# Allegro board pc069a_toplevel_13_glossed.brd (continued)
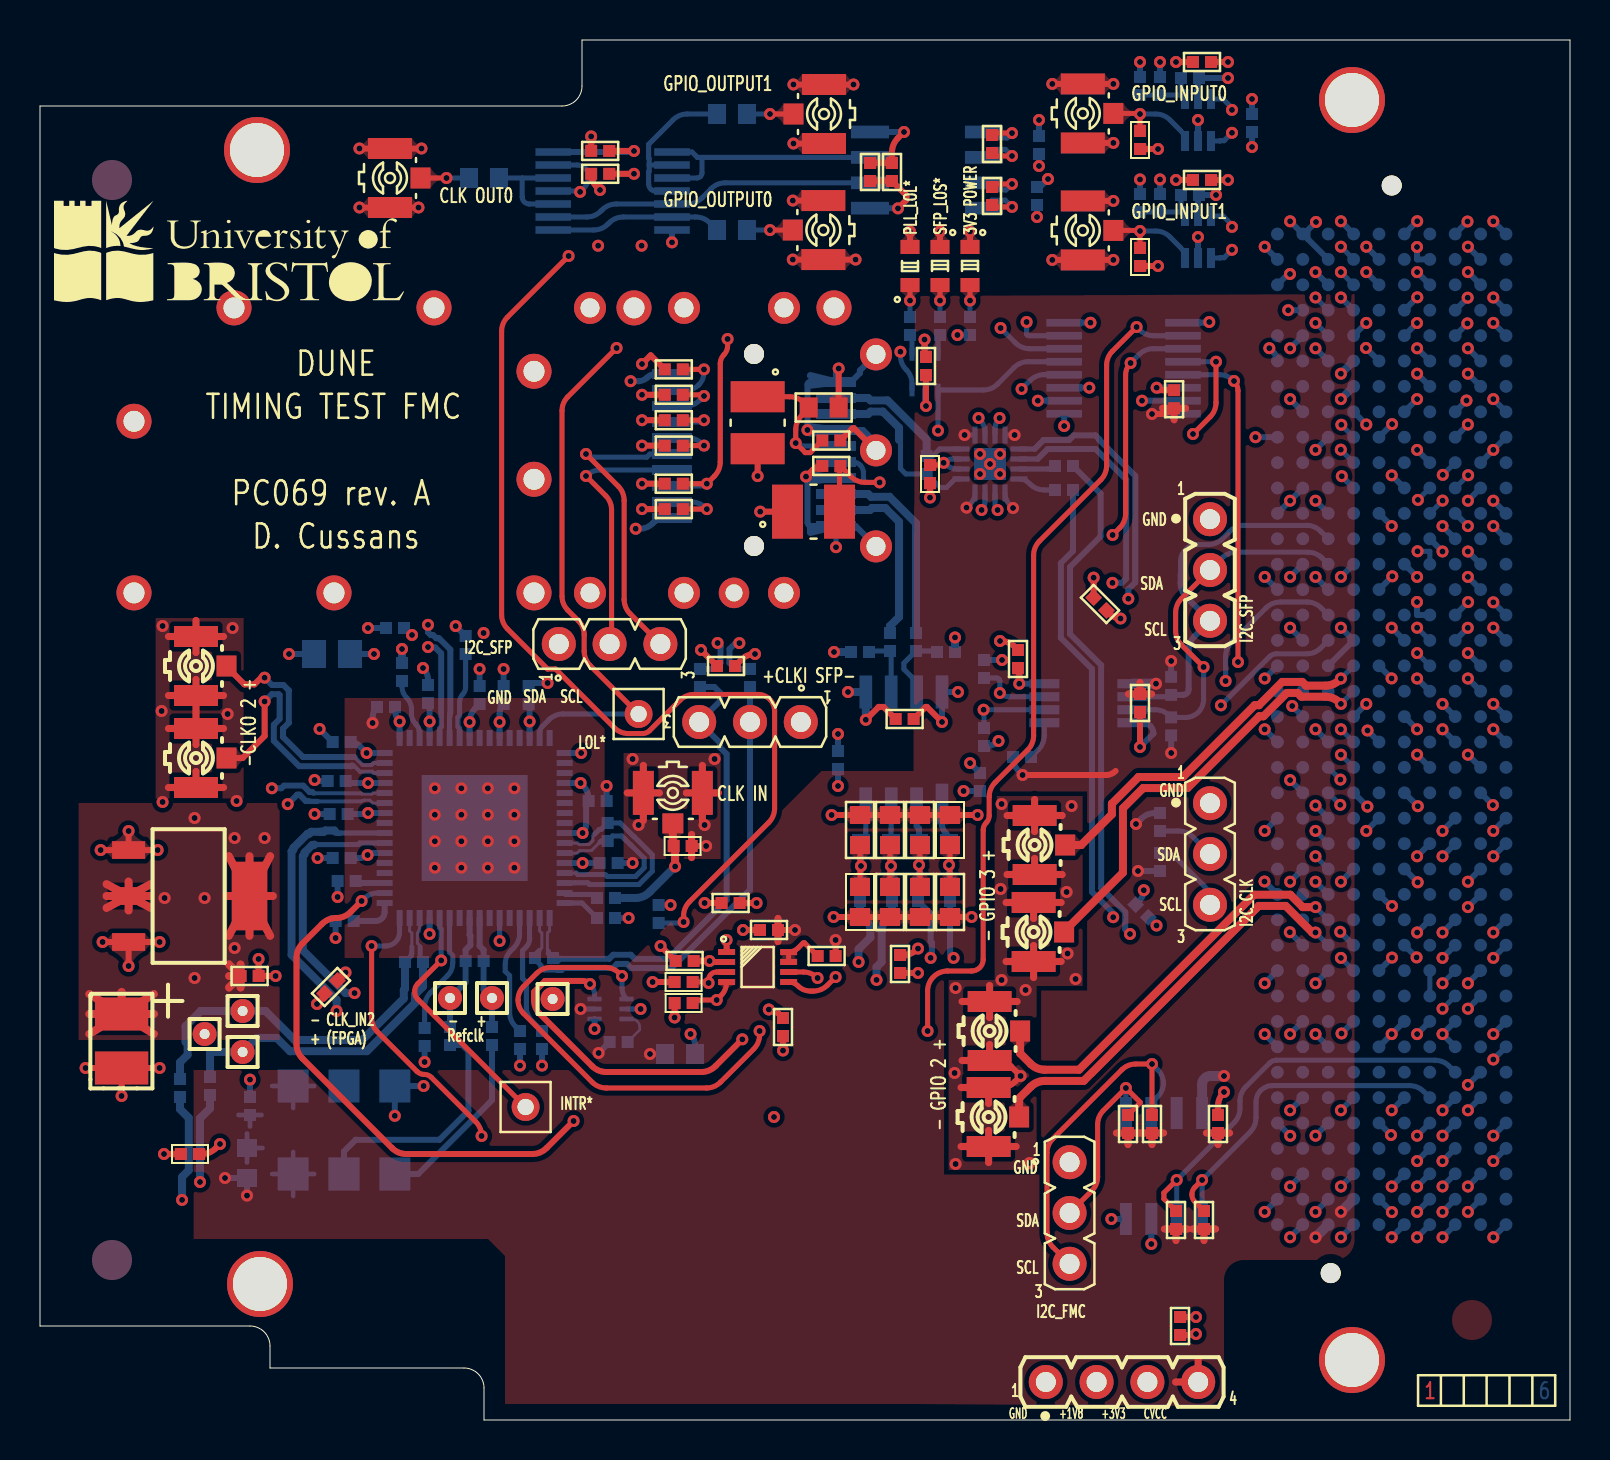
[diagram p0: board, top side]
## Routing (per net, layer and track width the routed paths; a pad name or vN(x,y) marks a point on that pad's centre or on a via; arc(x,y) is an arc through that point) (continued)
P12V: length 4.9
  L4_SIGN w0.3: v1(70.12,12.95) 70.64,13.46 arc(70.86,13.79) 70.93,14.17 70.93,14.26 arc(70.86,14.64) 70.64,14.97 v1(70.12,15.48)
  BOTTOM w0.3: P1.C35 v1(70.12,15.48) ; P1.C37 v1(70.12,12.95)
C2M_SFP_DATA_N: length 29.4
  L4_SIGN w0.3: v1(44.53,23.11) 44.89,22.75 45.22,22.75 45.44,22.53 45.47,22.53 45.48,22.53 46.36,22.53 55.73,31.9 57.96,31.9 58.03,31.97 58.33,31.97 59.77,33.4 64.91,33.4 v1(65.04,33.27)
  BOTTOM w0.254: P1.G22 v1(65.04,33.27)
  BOTTOM w0.3: v1(44.53,23.11) 44.53,23.31 44.6,23.38 44.6,23.86 44.53,23.92 44.53,25.32 C8.1
C2M_SFP_DATA_P: length 27.9
  L4_SIGN w0.3: v1(45.68,23.11) 45.7,23.08 46.13,23.08 55.5,32.45 57.73,32.45 57.8,32.52 58.1,32.52 59.54,33.96 64.47,33.96 v1(65.04,34.53)
  BOTTOM w0.254: P1.G21 v1(65.04,34.53)
  BOTTOM w0.3: v1(45.68,23.11) 45.5,23.28 C1.1
CLK0_C2M_N: length 92.2
  L4_SIGN w0.4: v1(7.1,11) 7.45,11 8.6,9.85 18.25,9.85 18.98,9.12 25.22,9.12 29.7,13.6 38.55,13.6 43.39,18.44 43.39,21.97 43.27,22.09 43.27,22.61 43.39,22.73 43.39,23.19 43.27,23.31 43.27,23.83 43.64,24.2 43.71,24.2 45.29,25.78 45.53,25.78 53.63,33.88 53.63,37.44 56.17,39.98 56.17,46.01 62.02,51.85 63.25,51.85 63.65,51.45 64.64,51.45 v1(65.04,51.05)
  BOTTOM w0.4: v1(7.1,11) 7.1,12.15 7.44,12.49 7.44,15.11 7,15.55 C28.1 ; P1.G7 v1(65.04,51.05)
CLK0_C2M_P: length 90.6
  L4_SIGN w0.4: v1(65.04,52.31) 64.83,52.1 63.92,52.1 63.52,52.51 61.75,52.51 55.52,46.28 55.52,40.25 52.98,37.71 52.98,34.15 45.26,26.43 45.02,26.43 43.44,24.85 43.37,24.85 42.62,24.1 42.62,23.04 42.65,23.01 42.65,22.91 42.62,22.88 42.62,21.82 42.74,21.7 42.74,18.71 38.28,14.25 29.43,14.25 24.95,9.77 19.25,9.77 18.52,10.5 8.87,10.5 8.08,11.29 8.08,11.82 v1(8,11.9)
  BOTTOM w0.4: P1.G6 v1(65.04,52.31) ; C22.1 8.5,15.58 8,15.08 v1(8,11.9)
CLK0_M2C_N: length 75.1
  L4_SIGN w0.3: v1(12.39,30.79) 12.39,31.27 12.94,31.82 12.94,32.34 12.78,32.5 12.78,34.21 14.07,35.5 19.12,35.5 21.74,38.13 22.94,38.13 23.5,38.69 23.5,43.2 23.8,43.5 33.67,43.5 34.48,44.31 34.48,47.74 37.62,50.87 43.65,50.87 44.06,51.28 46.5,51.28 48.82,53.6 49.01,53.6 49.01,53.6 59.63,53.6 62.1,56.07 62.65,56.07 63.18,55.53 63.18,55.45 v1(63.77,54.85)
  BOTTOM w0.15: IC3.27 16.63,30.85 16.48,30.99 16.21,30.99 16.19,30.98 16.12,30.98 16.07,30.93 16.05,30.93
  BOTTOM w0.2: 13.85,30.93 16.05,30.93
  BOTTOM w0.254: P1.H5 v1(63.77,54.85) ; 13.85,30.93 13.85,30.93 13.52,30.93 13.45,30.93 13.44,30.95
  BOTTOM w0.3: v1(12.39,30.79) 12.86,31.27 12.97,31.27 13.29,30.95 13.44,30.95
CLK0_M2C_P: length 75.7
  L4_SIGN w0.3: v1(63.77,56.12) 63.23,56.12 62.84,56.52 61.91,56.52 59.44,54.05 48.63,54.05 46.31,51.73 43.87,51.73 43.47,51.32 37.43,51.32 34.03,47.92 34.03,44.5 33.48,43.95 23.61,43.95 23.05,43.38 23.05,38.88 22.75,38.58 21.55,38.58 18.93,35.96 13.89,35.96 12.33,34.4 12.33,32.31 12.49,32.15 12.49,32.01 12.07,31.59 v1(11.59,31.59)
  BOTTOM w0.15: 16.05,31.34 16.09,31.3 16.59,31.3 16.65,31.35 IC3.28
  BOTTOM w0.2: 13.69,31.34 16.05,31.34
  BOTTOM w0.254: 13.62,31.4 13.69,31.34 ; P1.H4 v1(63.77,56.12)
  BOTTOM w0.3: v1(11.59,31.59) 12.07,31.59 12.2,31.72 13.16,31.72 13.48,31.4 13.62,31.4
CLK1_M2C_N: length 69.1
  L4_SIGN w0.3: v1(65.04,57.4) 64.69,57.75 64.23,57.75 64.01,57.97 62.36,57.97 60.43,56.05 49.97,56.05 48.09,57.93 43.04,57.93 42,56.89 36.03,56.89 36.03,56.9 24.56,56.9 20.6,52.94 20.6,41.22 20.55,41.17 20.51,41.17 20.21,40.87 20.21,39.54 19.4,38.74 v1(19.4,38.65)
  BOTTOM w0.254: IC3.37 19.98,34.58 20.07,34.66 20.07,35.17 20.06,35.18 20.06,35.36 ; P1.G3 v1(65.04,57.4)
  BOTTOM w0.3: v1(19.4,38.65) 19.42,38.63 19.76,38.63 20.06,38.33 20.06,35.36
CLK1_M2C_P: length 70
  L4_SIGN w0.3: v1(19.4,39.76) 19.6,39.76 19.65,39.81 19.65,41.1 20.05,41.49 20.05,53.17 24.33,57.45 36.25,57.45 36.26,57.44 41.77,57.44 42.81,58.48 48.32,58.48 50.2,56.6 60.2,56.6 62.13,58.53 64.24,58.53 64.46,58.31 64.69,58.31 v1(65.04,58.66)
  BOTTOM w0.254: P1.G2 v1(65.04,58.66) ; 20.52,35.36 20.52,35.32 20.49,35.3 20.49,35.18 20.48,35.17 IC3.38
  BOTTOM w0.3: v1(19.4,39.76) 19.4,39.39 19.54,39.25 19.65,39.25 19.81,39.09 19.95,39.09 20.52,38.52 20.52,35.36
CLK_I2C_SEL: length 4.3
  BOTTOM w0.254: IC3.39 20.98,34.58 20.9,34.66 20.9,35.14 20.98,35.22 20.98,35.91 arc(21.02,36.11) 21.13,36.28 arc(21.24,36.44) 21.28,36.64 R13.1
CLK_IN0_N: length 1.9
  BOTTOM w0.254: IC3.64 27.1,25.85 C26.2
CLK_IN0_P: length 1.7
  BOTTOM w0.254: C23.2 27.67,26.28 26.28,26.28 26.23,26.33 IC3.63
CLK_IN1_N: length 25.2
  BOTTOM w0.15: 24.96,23.48 25.09,23.61 25.09,24.35 24.98,24.46 IC3.2
  BOTTOM w0.254: 25.88,22.5 25.22,22.5 25.05,22.67 25.05,22.73 24.75,23.03 R11.1 24.75,23.27 24.96,23.48
  BOTTOM w0.3: C27.2 J3.2 35.5,26.52 31.58,22.6 29.55,22.6 29.35,22.8 28.85,22.8 28.65,22.6 26.18,22.6 26.08,22.5 25.88,22.5
CLK_IN1_P: length 24.9
  BOTTOM w0.15: IC3.1 25.48,24.46 25.37,24.35 25.37,23.5 25.42,23.45 25.42,23.44
  BOTTOM w0.254: 25.42,23.44 25.42,23.33 R11.2 25.65,23.01
  BOTTOM w0.3: C24.2 33.72,36.65 34,36.37 34,35.94 J3.3 34,33.86 34,33.63 34.33,33.3 34.33,26 31.39,23.06 29.74,23.06 29.54,23.26 28.66,23.26 28.46,23.06 25.99,23.06 25.88,22.96 25.7,22.96 25.65,23.01
CLK_IN2_N: length 19.8
  BOTTOM w0.15: IC3.15 18.48,24.46 18.59,24.35 18.59,23.65
  BOTTOM w0.254: 18.59,23.65 18.59,23.33 18.57,23.32 18.57,23.22 R8.2
  BOTTOM w0.4: R8.2 18.25,21.56 18.19,21.5 18.19,21.08 16.11,19 12.73,19 11.28,20.45 TP5.1 8.03,20.45 7.28,19.69 7.28,18.91 7.38,18.8 7.38,18.26 7,17.88 C28.2
CLK_IN2_P: length 17.6
  BOTTOM w0.15: 19,23.65 19,23.71 18.87,23.84 18.87,24.35 18.95,24.43 18.95,24.52 18.98,24.55 IC3.14
  BOTTOM w0.254: R8.1 19,23.05 19,23.65
  BOTTOM w0.4: C22.2 8.5,18.35 8.55,18.4 TP4.1 10.83,19.1 11.83,19.1 12.5,18.44 16.34,18.44 18.75,20.85 18.75,21.27 19.15,21.67 R8.1
CLK_OE*: length 6.1
  BOTTOM w0.254: R10.1 19.23,20.66 arc(19.31,21.04) 19.52,21.37 20.38,22.22 arc(20.57,22.51) 20.64,22.85 20.64,23.22 20.48,23.38 IC3.11
CLK_RSTB: length 88.2
  TOP w0.254: v1(26.43,58.2) 23.37,55.14 arc(23.16,54.82) 23.08,54.44 23.08,40.26 arc(23.16,39.88) 23.37,39.56 25.38,37.55 25.78,37.55 28.71,34.62 arc(29.04,34.4) 29.42,34.32 30.13,34.32 arc(30.32,34.36) 30.48,34.47 32,35.98 arc(32.32,36.2) 32.7,36.28 35.9,36.28 arc(36.49,36.04) 36.73,35.45 36.73,30.58 arc(36.65,30.2) 36.44,29.88 32.47,25.91 arc(32.26,25.59) 32.18,25.2 v1(32.18,24.9)
  L3_SIGN w0.254: v1(22.98,23.95) 29.39,23.95 arc(29.77,24.03) 30.09,24.24 30.46,24.61 arc(30.78,24.82) 31.16,24.9 v1(32.18,24.9) ; v1(49.33,54.9) 45.92,58.31 arc(45.6,58.52) 45.22,58.6 37.61,58.6 arc(37.42,58.56) 37.25,58.45 37.04,58.24 arc(36.72,58.03) 36.34,57.95 27.03,57.95 arc(26.71,58.01) v1(26.43,58.2)
  BOTTOM w0.254: R16.1 32.13,24.85 v1(32.18,24.9) ; 51.21,54.22 49.41,54.22 arc(49.35,54.24) 49.33,54.3 v1(49.33,54.9) ; IC3.6 v1(22.98,23.95)
CLK_SCL: length 36.4
  TOP w0.254: v1(16.58,23.7) 16.58,20.11 arc(16.66,19.73) 16.87,19.41 18.85,17.43 arc(19.02,17.32) 19.21,17.28 arc(19.4,17.24) 19.57,17.13 21.79,14.91 arc(22,14.59) 22.08,14.2 v1(22.08,14.2) ; IC1.3 33.83,22.4 arc(33.55,22.28) 33.43,22 v1(33.43,21.85) 33.38,21.9 R41.2
  L3_SIGN w0.254: v1(22.08,14.2) 32.32,14.2 arc(32.7,14.28) 33.02,14.49 34.13,15.6 arc(34.35,15.93) 34.43,16.31 34.43,21.8 arc(34.41,21.84) 34.38,21.85 v1(33.43,21.85)
  BOTTOM w0.254: v1(16.58,23.7) 17.28,23.7 arc(17.78,23.9) 17.98,24.4 IC3.16
CLK_SDA: length 41.6
  TOP w0.254: R40.2 arc(32.8,20.96) 32.99,21 v1(33.83,21) 34.04,21.21 arc(34.26,21.53) IC1.4
  TOP w0.3: v1(26.68,14.95) 25.32,13.59 arc(25,13.38) 24.62,13.3 18.31,13.3 arc(17.93,13.38) 17.61,13.59 13.12,18.08 arc(12.9,18.41) 12.82,18.79 12.82,23.11 arc(12.9,23.49) 13.12,23.82 14.11,24.81 arc(14.43,25.02) 14.81,25.1 14.82,25.1 arc(15.2,25.18) 15.52,25.39 v1(16.08,25.95)
  L3_SIGN w0.254: v1(33.83,21) 33.83,16.82 arc(33.76,16.44) 33.54,16.11 32.67,15.24 arc(32.35,15.03) 31.97,14.95 v1(26.68,14.95)
  BOTTOM w0.254: IC3.18 16.89,26.35 arc(16.51,26.27) 16.19,26.06 v1(16.08,25.95)
CTRLVCC: length 0.9
  BOTTOM w0.3: P1.D32 v1(68.85,19.3)
CVCC: length 42.6
  TOP w0.3: v1(55.6,50.3) 56,50.3 arc(56.38,50.38) C61.2 ; v1(39.78,24) R1.2 ; v1(49.13,32.25) 53.3,32.25 arc(53.56,32.3) 53.78,32.45 ; C17.2 v1(37.75,24.5)
  TOP w0.354: 36.9,23.92 C17.2 36.9,25.08 ; 57.91,3.03 J11.4 56.78,1.9 ; 56.7,50.01 C61.2 ; C61.2 57.28,50.59 ; C61.2 56.13,50.59 ; R103.2 56.18,14.35 ; R103.2 55.02,14.35 ; R103.2 55.6,13.77 ; 57.62,9.55 R1328.2 ; R1328.2 58.78,9.55 ; R1328.2 58.2,8.97 ; 56.22,9.55 R138.2 ; R138.2 57.38,9.55 ; R138.2 56.8,8.97 ; C16.2 55.58,36.3 ; C16.2 55,36.88 ; C16.2 54.42,36.3 ; 58.32,14.35 C18.2 ; C18.2 59.48,14.35 ; C18.2 58.9,13.77 ; 54.4,13.77 R39.2 ; R39.2 54.98,14.35 ; R39.2 53.82,14.35
  BOTTOM w0.254: v1(46.33,45.62) 46.53,45.83 arc(46.69,46.07) IC4.16 ; IC4.5 v1(46.23,49.25) ; IC4.8 v1(48.73,49.25) ; IC11.5 v1(27.03,20.55) ; v1(48.65,45.6) 48.5,45.76 arc(48.31,46.03) IC4.13
  BOTTOM w0.3: R43.2 v1(54.9,27.45) ; C42.2 v1(30.5,18.3) ; v1(10.35,11.22) L3.1 v1(9.25,12.1) ; IC10.16 55.61,50.31 ; R142.2 v1(56.56,33.35) ; R143.2 v1(56.56,37.95) ; v1(49.13,32.25) 48.94,32.44 arc(48.73,32.76) 48.65,33.14 R42.2 ; R61.2 v1(27.93,18.35) ; v1(54.8,29.8) 55.06,30.06 arc(55.38,30.27) 55.76,30.35 R242.2
  BOTTOM w0.5: IC2.8 58.1,16.78 arc(58.23,17.08) 58.52,17.2 v1(59.2,17.2) ; P1.H40 v1(63.77,9.13) ; 55.61,50.31 v1(55.6,50.3) ; IC15.1 v1(55.8,36.81) ; P1.G39 v1(65.04,10.41)
F_GPIO_OUT0_N: length 28
  TOP w0.254: R45.1 47.65,60.75 47.75,60.65 v1(48.6,60.65)
  L3_SIGN w0.2: v1(65.04,48.52) 64.65,48.92 64.18,48.93 63.77,49.35 62.35,49.35 60.43,51.27 60.43,54.93 55.09,60.27 55.01,60.27 54.22,61.06 54.22,61.18 53.9,61.51 53.32,61.51 52.81,61 48.95,61 v1(48.6,60.65)
  BOTTOM w0.254: v1(65.04,48.52) 65.04,48.51 P1.G10 ; IC8.4 47.6,60.99 48.26,60.99 v1(48.6,60.65)
F_GPIO_OUT0_P: length 27.5
  TOP w0.254: R45.2 47.75,61.8 v1(48.6,61.8)
  L3_SIGN w0.2: v1(48.6,61.8) 48.95,61.45 52.76,61.45 53.17,61.87 54.05,61.87 55.19,60.72 55.28,60.72 60.88,55.12 60.88,51.46 62.54,49.8 63.96,49.8 63.99,49.76 v1(65.07,49.76)
  BOTTOM w0.254: v1(65.07,49.76) 65.07,49.75 P1.G9 ; v1(48.6,61.8) 48.3,61.5 47.56,61.5 IC8.3
F_GPIO_OUT1_N: length 69
  TOP w0.254: R46.1 47.7,64.35 v1(48.6,64.35)
  L4_SIGN w0.2: v1(48.6,64.35) 48.95,64 50.5,64 51.37,63.13 55.57,63.13 55.68,63.02 66.28,63.02 66.61,63.35 71.85,63.35 74.62,60.58 74.62,33.82 72.02,31.22 65.47,31.22 v1(65.01,30.76)
  BOTTOM w0.254: v1(48.6,64.35) 48.35,64.1 47.5,64.1 IC8.1 ; P1.H23 v1(65.01,30.76)
F_GPIO_OUT1_P: length 67.6
  TOP w0.254: v1(48.6,63.2) 47.75,63.2 R46.2
  L4_SIGN w0.2: v1(48.6,63.2) 48.95,63.55 50.31,63.55 51.18,62.68 55.38,62.68 55.49,62.57 66.47,62.57 66.8,62.9 71.66,62.9 74.16,60.39 74.16,34.01 71.83,31.67 65.37,31.67 v1(65.02,32.02)
  BOTTOM w0.254: v1(48.6,63.2) 48.27,63.53 47.6,63.53 IC8.2 ; P1.H22 v1(65.02,32.02)
F_SFP_N: length 8.1
  BOTTOM w0.254: R60.1 44.63,48.2 44.98,48.55 IC4.4
  BOTTOM w0.4: R60.1 44.33,49.03 42.38,50.98 41.53,50.98 41.41,51.1 J4.12
F_SFP_P: length 9.2
  BOTTOM w0.254: IC4.1 45.75,47.05 45.32,46.62 45.01,46.62 R60.2 43.29,47.3 43.02,47.57 43.02,48.9 42.95,48.97 42.95,49
  BOTTOM w0.4: 42.95,49 42.95,49.61 42.14,50.42 41.53,50.42 41.41,50.3 J4.13
FMC_GA0: length 21.2
  TOP w0.254: R138.1 56.2,11.05 56.2,11.36 v1(56.83,12)
  BOTTOM w0.254: P1.C34 70.45,17.7 arc(70.13,17.91) 69.75,17.99 61.83,17.99 arc(61.64,17.95) 61.48,17.84 60.29,16.66 arc(60.08,16.34) 60,15.95 60,15.58 arc(59.92,15.2) 59.71,14.87 v1(56.83,12) IC2.2
FMC_GA1: length 18.3
  TOP w0.254: R1328.1 57.75,10.9 arc(57.64,11.07) 57.6,11.27 arc(57.64,11.47) 57.75,11.64 v1(58.1,12)
  BOTTOM w0.254: IC2.1 v1(58.1,12) 60.51,14.4 arc(60.72,14.73) 60.8,15.11 60.8,15.9 arc(61.04,16.48) 61.62,16.72 68.48,16.72 arc(68.86,16.64) 69.18,16.43 P1.D35
FMC_SCL: length 78.6
  TOP w0.254: J6.3 50.64,8.65 arc(50.43,8.97) 50.35,9.35 50.35,13.36 arc(50.43,13.74) 50.64,14.06 54.09,17.51 arc(54.41,17.72) 54.79,17.8 v1(55.6,17.8) R103.1 ; v1(35.98,19.45) 35.98,19.26 arc(35.9,18.88) 35.69,18.55 34.03,16.89 arc(33.7,16.68) 33.32,16.6 28.31,16.6 arc(27.93,16.68) 27.61,16.89 24.18,20.32 arc(23.97,20.63) 23.9,21 arc(23.97,21.37) 24.18,21.68 24.83,22.33 arc(25.16,22.55) 25.54,22.63 28.26,22.63 arc(28.64,22.55) 28.97,22.33 v1(29.1,22.2)
  L3_SIGN w0.254: v1(70.12,21.84) 69.78,21.49 arc(69.46,21.28) 69.08,21.2 61.41,21.2 arc(61.03,21.12) 60.71,20.91 57.89,18.09 arc(57.57,17.88) 57.19,17.8 v1(55.6,17.8) 55.29,18.11 arc(54.97,18.32) 54.59,18.4 41.31,18.4 arc(40.93,18.48) 40.61,18.69 40.14,19.16 arc(39.82,19.37) 39.44,19.45 v1(35.98,19.45)
  BOTTOM w0.254: v1(55.6,17.8) 55.9,17.5 arc(56.1,17.2) 56.17,16.84 arc(56.1,16.48) 55.9,16.18 55.86,16.14 arc(55.64,15.82) 55.56,15.44 IC2.6 ; v1(29.1,22.2) 29.1,21.61 arc(29.16,21.3) IC11.1 ; P1.C30 v1(70.12,21.84)
FMC_SDA: length 66.2
  TOP w0.254: J6.2 52.59,11.46 arc(52.8,11.78) 52.88,12.16 52.88,14.77 arc(52.96,15.15) 53.17,15.48 v1(54.29,16.6) 55,15.89 55,15.85 R39.1
  TOP w0.3: v1(35.11,19.04) 33.77,17.69 arc(33.45,17.48) 33.07,17.4 28.31,17.4 arc(27.93,17.48) 27.61,17.69 24.98,20.32 arc(24.77,20.63) 24.7,21 24.7,21.4 25.26,21.95 27.13,21.95 arc(27.33,21.91) v1(27.5,21.8)
  L3_SIGN w0.254: v1(35.11,19.04) 35.11,18.84 arc(35.19,18.46) 35.41,18.14 36.65,16.89 arc(36.98,16.68) 37.36,16.6 v1(54.29,16.6) 57.29,16.6 arc(57.67,16.68) 57.99,16.89 61.37,20.27 arc(61.7,20.49) 62.08,20.57 v1(70.12,20.57)
  BOTTOM w0.254: v1(54.29,16.6) IC2.5 ; P1.C31 v1(70.12,20.57) ; IC11.6 27.73,21.25 arc(27.67,21.55) v1(27.5,21.8)
FPGA_CLK_RST: length 65.7
  TOP w0.254: v1(44.38,19.45) 44.38,21.45 arc(44.67,22.16) 45.38,22.45 46.58,22.45 arc(46.99,22.62) 47.16,23.03 47.16,29.5 arc(47.2,29.69) 47.31,29.86 arc(47.42,30.03) 47.46,30.22 47.46,31.16 arc(47.54,31.55) 47.75,31.87 49.39,33.51 arc(49.6,33.83) 49.68,34.21 49.68,43.24 arc(49.76,43.62) 49.97,43.94 53.04,47.01 arc(53.25,47.33) 53.33,47.71 53.33,52.74 arc(53.41,53.12) 53.62,53.44 v1(54.83,54.65)
  L3_SIGN w0.254: v1(65.04,23.11) 61.65,23.11 arc(61.27,23.03) 60.94,22.81 57.87,19.74 arc(57.55,19.53) 57.17,19.45 v1(44.38,19.45)
  BOTTOM w0.254: v1(54.83,54.65) 54.97,54.51 arc(55.3,54.29) 55.68,54.22 57.15,54.22 ; P1.G30 v1(65.04,23.11)
FPGA_CLK_SCL: length 47.6
  TOP w0.254: v1(38.88,22.1) 38.87,22.11 arc(38.55,22.32) 38.17,22.4 IC1.6
  L3_SIGN w0.254: v1(59.28,36.95) 59.61,36.62 arc(59.82,36.3) 59.9,35.92 59.9,27.57 arc(59.82,27.19) 59.61,26.87 J8.3 53.4,20.66 arc(53.24,20.55) 53.05,20.52 40.88,20.52 arc(40.5,20.59) 40.17,20.81 v1(38.88,22.1)
  BOTTOM w0.254: J8.3 58.5,25.99 arc(58.42,26.37) 58.21,26.7 56.85,28.06 arc(56.52,28.27) 56.14,28.35 R43.1 ; v1(59.28,36.95) 59.28,38.17 arc(59.36,38.55) 59.57,38.87 61.31,40.61 arc(61.63,40.82) 62.01,40.9 63.35,40.9 arc(63.73,40.82) 64.05,40.61 P1.H16
FPGA_CLK_SDA: length 44
  TOP w0.254: v1(39.78,22.15) 39.37,21.74 arc(39.04,21.52) 38.66,21.45 38.53,21.45 arc(38.19,21.51) 37.9,21.71 arc(37.68,21.85) IC1.5
  L3_SIGN w0.254: v1(39.78,22.15) 40.72,21.21 arc(41.04,21) 41.42,20.92 52.52,20.92 arc(52.9,21) 53.22,21.21 56.34,24.33 arc(56.55,24.65) 56.63,25.04 56.63,26.02 arc(56.71,26.4) 56.92,26.72 J8.2 57.66,29.14 arc(57.45,29.46) 57.37,29.84 57.37,33.64 arc(57.45,34.03) 57.66,34.35 v1(59.05,35.73)
  BOTTOM w0.254: P1.H17 64.41,38.97 64.04,38.6 arc(63.72,38.39) 63.33,38.31 61.83,38.31 arc(61.64,38.27) 61.48,38.16 v1(59.05,35.73) ; R242.1 56.94,29.45 arc(57.32,29.37) 57.64,29.16 J8.2
FPGA_SFP_LOS: length 20.6
  TOP w0.254: v1(58.8,52.91) 58.8,50.86 arc(58.72,50.48) 58.51,50.16 v1(57.65,49.3)
  L3_SIGN w0.254: v1(68.88,43.44) 63.93,43.44 arc(63.54,43.51) 63.22,43.73 v1(57.65,49.3)
  BOTTOM w0.254: P1.D14 69.49,43.43 arc(69.49,43.43) 69.48,43.44 v1(68.88,43.44) ; IC10.12 v1(58.8,52.91)
FPGA_SFP_SCL: length 18.8
  BOTTOM w0.254: R143.1 56.46,36.16 IC15.2 ; P1.H13 64.03,44.44 arc(63.71,44.65) 63.32,44.73 60.2,44.73 arc(59.82,44.65) 59.49,44.44 59.12,44.06 arc(58.8,43.85) 58.41,43.77 57.87,43.77 arc(57.28,43.52) 57.03,42.93 57.03,42.3
  BOTTOM w0.3: R143.1 57.16,36.26 arc(57.35,36.34) 57.43,36.53 57.43,38.48 arc(57.51,38.86) 57.72,39.18 J10.3 57.32,41.14 arc(57.11,41.46) 57.03,41.84 57.03,42.3
FPGA_SFP_SDA: length 18.3
  TOP w0.254: J10.2 57.07,41.07 arc(56.86,40.75) 56.78,40.37 56.78,39.46 arc(56.86,39.08) 57.07,38.76 v1(58.18,37.65)
  BOTTOM w0.254: IC15.3 55.76,35.51 arc(56.14,35.44) 56.47,35.22 R142.1 57.28,35.13 arc(57.92,35.39) 58.18,36.03 v1(58.18,37.65) ; J10.2 59.1,43.1 arc(59.42,43.31) 59.8,43.39 63.4,43.39 arc(63.78,43.31) 64.1,43.1 P1.H14
FPGA_SFP_TX_DIS: length 29.7
  TOP w0.254: v1(53.63,44.25) 53.99,44.61 arc(54.2,44.93) 54.28,45.31 54.28,52.25 arc(54.34,52.57) v1(54.53,52.85)
  L3_SIGN w0.254: v1(68.85,39.62) 67.39,41.08 arc(67.07,41.29) 66.68,41.37 56.92,41.37 arc(56.54,41.45) 56.22,41.66 v1(53.63,44.25)
  BOTTOM w0.254: IC10.11 55.66,53.56 arc(55.28,53.49) 54.95,53.27 v1(54.53,52.85) ; P1.D17 v1(68.85,39.62)
FPGA_SFP_TX_FLT: length 26.7
  TOP w0.254: v1(59.9,37.9) 59.9,51.47 arc(59.85,51.73) v1(59.7,51.95)
  L3_SIGN w0.254: v1(59.9,37.9) 60.05,38.05 arc(60.38,38.27) 60.76,38.34 v1(68.85,38.34)
  BOTTOM w0.254: P1.D18 v1(68.85,38.34) ; v1(59.7,51.95) 59.68,51.97 arc(59.35,52.19) 58.97,52.27 IC10.13
GPIO_IN0_N: length 29.6
  L3_SIGN w0.2: v1(71.41,47.24) 71.01,47.64 71.01,48.13 70.73,48.41 70.73,61.47 68.1,64.1 64.81,64.1 63.75,65.16 59.94,65.16 v1(59.6,65.5)
  BOTTOM w0.254: v1(59.6,65.5) 59.6,65.6 59.15,66.05 IC6.6 ; v1(71.41,47.24) 71.4,47.24 P1.C11
GPIO_IN0_P: length 28.6
  L3_SIGN w0.2: v1(59.6,64.36) 59.94,64.7 63.56,64.7 64.62,63.64 67.91,63.64 70.28,61.28 70.28,48.22 70.55,47.94 70.55,47.66 v1(70.14,47.26)
  BOTTOM w0.254: v1(59.6,64.36) 59.21,63.97 59.02,63.97 59,63.95 IC6.1 ; v1(70.14,47.26) 70.15,47.26 P1.C10
GPIO_IN1_N: length 26.5
  L3_SIGN w0.2: v1(70.13,45.97) 69.75,46.35 69.75,46.86 68.66,47.95 68.63,47.95 68.3,48.28 68.3,48.73 68.7,49.13 68.7,50.34 67.85,51.19 67.85,59.15 66.06,60.94 62.09,60.94 60.46,59.31 59.94,59.31 v1(59.6,59.65)
  BOTTOM w0.254: v1(59.6,59.65) 59.6,59.75 59.15,60.2 IC7.6 ; v1(70.13,45.97) P1.D12